# KiCad board APDS9960 Adapter board_panel.kicad_pcb (continued)
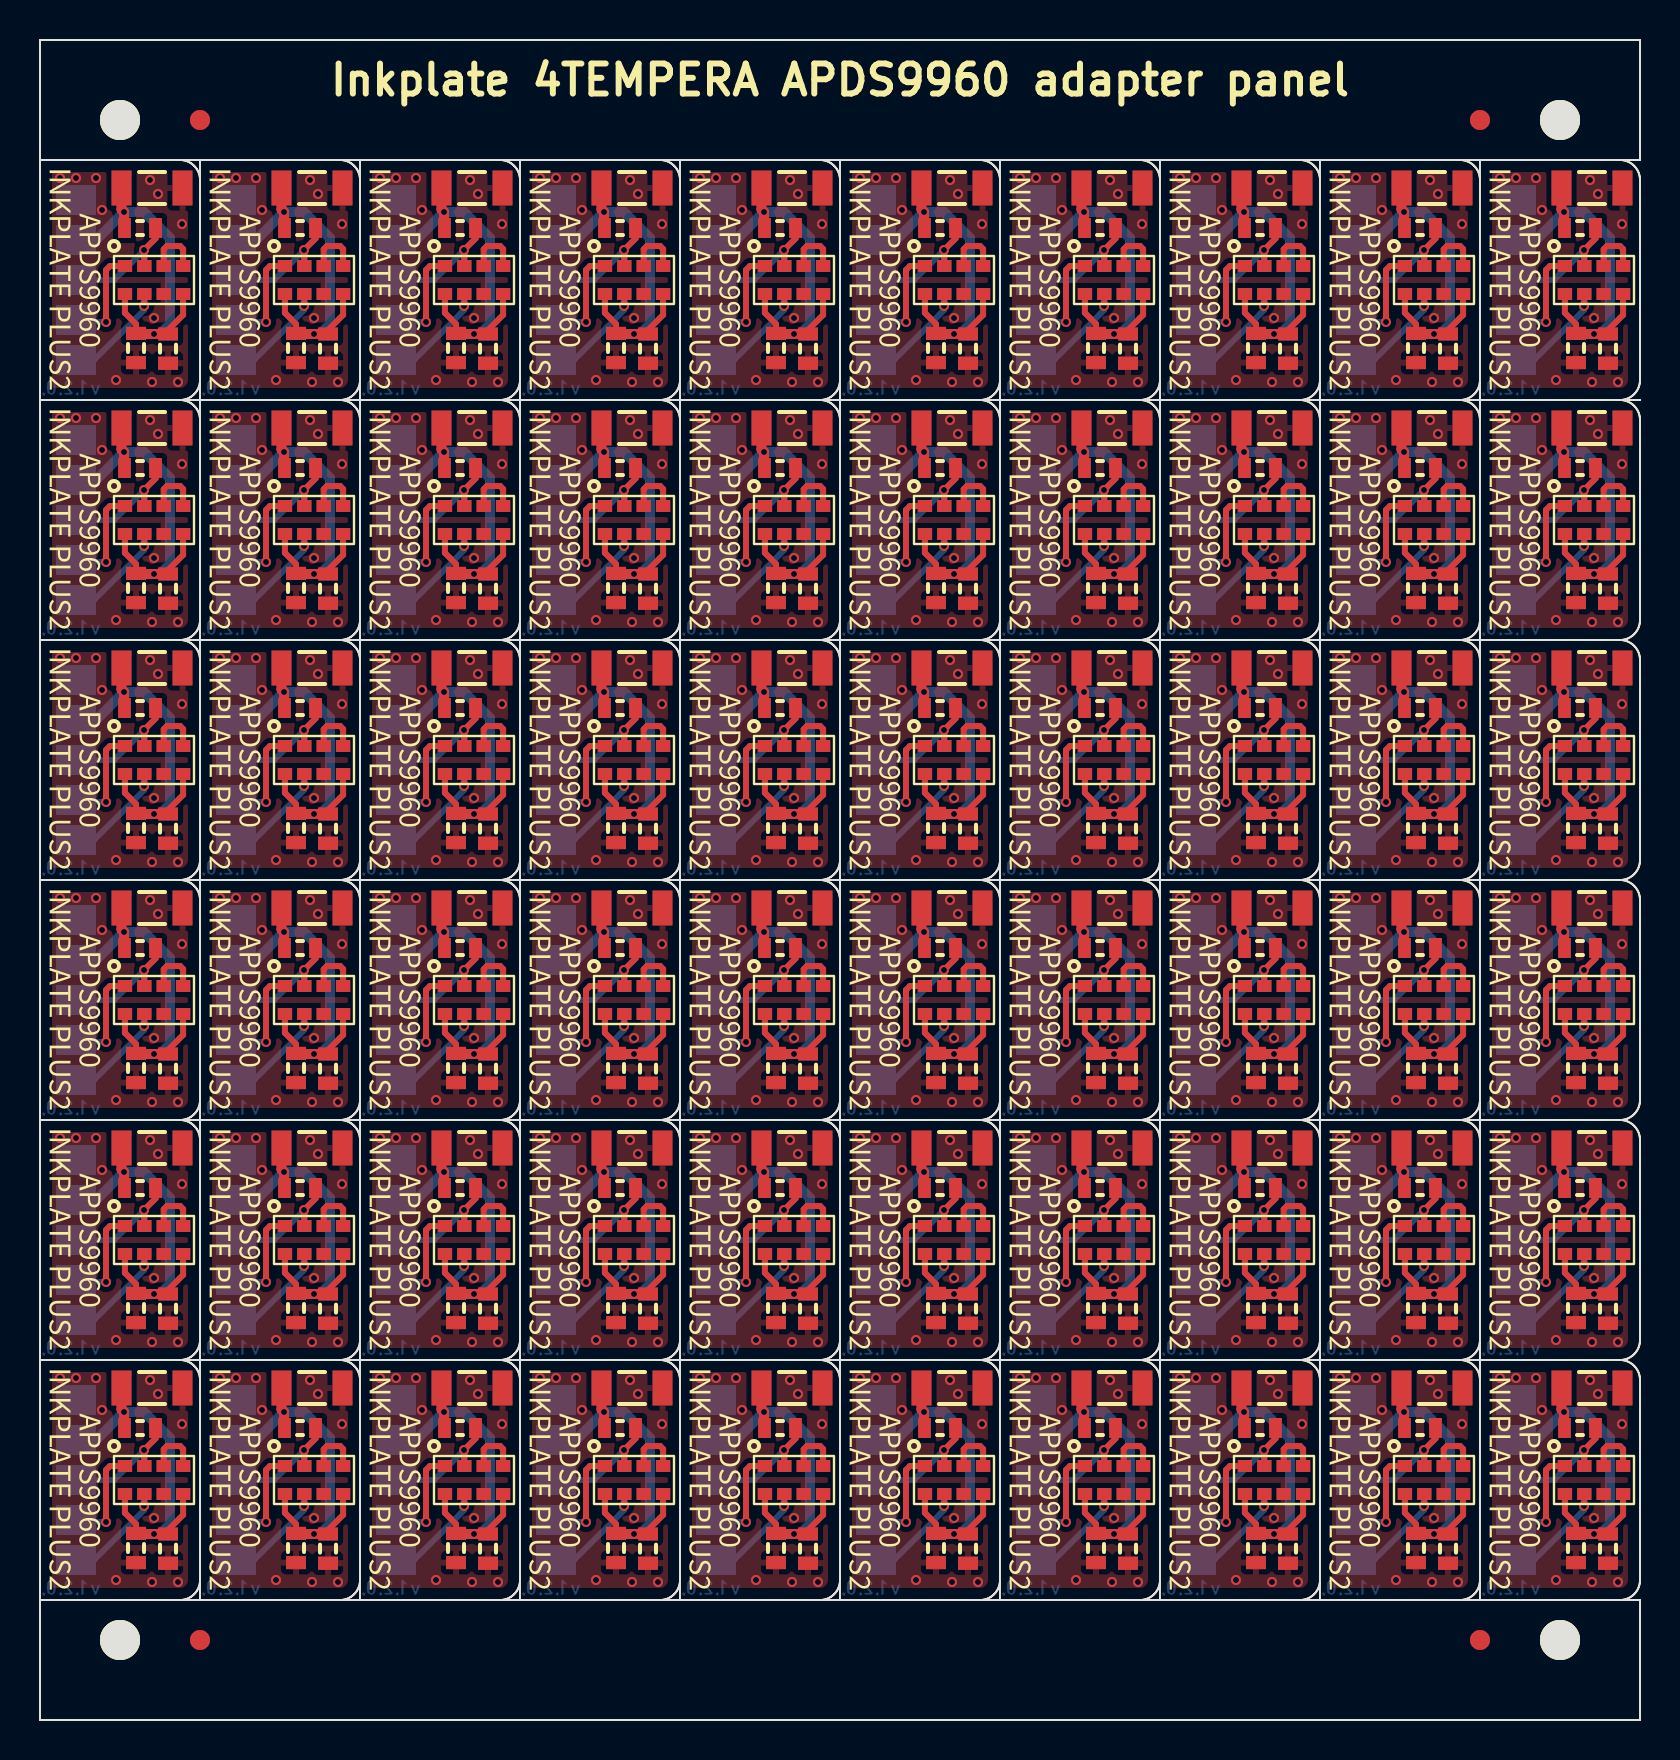
[diagram p0: board, top side]
## Placement (name value [footprint] x y rotation side) (continued)
PAD1#30  -  [PAD_2x1.5]  25.8 58 180 bottom
PAD1#31  -  [PAD_2x1.5]  17.8 10 180 bottom
PAD1#32  -  [PAD_2x1.5]  1.8 58 180 bottom
PAD1#33  -  [PAD_2x1.5]  17.8 34 180 bottom
PAD1#34  -  [PAD_2x1.5]  73.8 34 180 bottom
PAD1#35  -  [PAD_2x1.5]  1.8 10 180 bottom
PAD1#36  -  [PAD_2x1.5]  9.8 70 180 bottom
PAD1#37  -  [PAD_2x1.5]  41.8 22 180 bottom
PAD1#38  -  [PAD_2x1.5]  1.8 46 180 bottom
PAD1#39  -  [PAD_2x1.5]  57.8 70 180 bottom
PAD1#40  -  [PAD_2x1.5]  41.8 46 180 bottom
PAD1#41  -  [PAD_2x1.5]  41.8 34 180 bottom
PAD1#42  -  [PAD_2x1.5]  57.8 10 180 bottom
PAD1#43  -  [PAD_2x1.5]  73.8 58 180 bottom
PAD1#44  -  [PAD_2x1.5]  33.8 34 180 bottom
PAD1#45  -  [PAD_2x1.5]  65.8 10 180 bottom
PAD1#46  -  [PAD_2x1.5]  1.8 34 180 bottom
PAD1#47  -  [PAD_2x1.5]  73.8 22 180 bottom
PAD1#48  -  [PAD_2x1.5]  25.8 34 180 bottom
PAD1#49  -  [PAD_2x1.5]  9.8 58 180 bottom
PAD1#50  -  [PAD_2x1.5]  9.8 34 180 bottom
PAD1#51  -  [PAD_2x1.5]  9.8 10 180 bottom
PAD1#52  -  [PAD_2x1.5]  73.8 10 180 bottom
PAD1#53  -  [PAD_2x1.5]  25.8 22 180 bottom
PAD1#54  -  [PAD_2x1.5]  57.8 22 180 bottom
PAD1#55  -  [PAD_2x1.5]  1.8 22 180 bottom
PAD1#56  -  [PAD_2x1.5]  65.8 58 180 bottom
PAD1#57  -  [PAD_2x1.5]  65.8 22 180 bottom
PAD1#58  -  [PAD_2x1.5]  1.8 70 180 bottom
PAD1#59  -  [PAD_2x1.5]  33.8 46 180 bottom
PAD1#60  -  [PAD_2x1.5]  49.8 22 180 bottom
PAD2  -  [PAD_2x1.5]  65.8 20 180 bottom
PAD2#2  -  [PAD_2x1.5]  33.8 68 180 bottom
PAD2#3  -  [PAD_2x1.5]  49.8 20 180 bottom
PAD2#4  -  [PAD_2x1.5]  33.8 44 180 bottom
PAD2#5  -  [PAD_2x1.5]  41.8 56 180 bottom
PAD2#6  -  [PAD_2x1.5]  17.8 44 180 bottom
PAD2#7  -  [PAD_2x1.5]  65.8 8 180 bottom
PAD2#8  -  [PAD_2x1.5]  9.8 20 180 bottom
PAD2#9  -  [PAD_2x1.5]  49.8 8 180 bottom
PAD2#10  -  [PAD_2x1.5]  25.8 8 180 bottom
PAD2#11  -  [PAD_2x1.5]  1.8 68 180 bottom
PAD2#12  -  [PAD_2x1.5]  41.8 20 180 bottom
PAD2#13  -  [PAD_2x1.5]  1.8 56 180 bottom
PAD2#14  -  [PAD_2x1.5]  57.8 8 180 bottom
PAD2#15  -  [PAD_2x1.5]  65.8 56 180 bottom
PAD2#16  -  [PAD_2x1.5]  17.8 68 180 bottom
PAD2#17  -  [PAD_2x1.5]  25.8 44 180 bottom
PAD2#18  -  [PAD_2x1.5]  33.8 20 180 bottom
PAD2#19  -  [PAD_2x1.5]  57.8 68 180 bottom
PAD2#20  -  [PAD_2x1.5]  41.8 32 180 bottom
PAD2#21  -  [PAD_2x1.5]  25.8 68 180 bottom
PAD2#22  -  [PAD_2x1.5]  9.8 32 180 bottom
PAD2#23  -  [PAD_2x1.5]  9.8 68 180 bottom
PAD2#24  -  [PAD_2x1.5]  49.8 32 180 bottom
PAD2#25  -  [PAD_2x1.5]  17.8 8 180 bottom
PAD2#26  -  [PAD_2x1.5]  25.8 56 180 bottom
PAD2#27  -  [PAD_2x1.5]  17.8 56 180 bottom
PAD2#28  -  [PAD_2x1.5]  9.8 44 180 bottom
PAD2#29  -  [PAD_2x1.5]  73.8 32 180 bottom
PAD2#30  -  [PAD_2x1.5]  73.8 44 180 bottom
PAD2#31  -  [PAD_2x1.5]  33.8 32 180 bottom
PAD2#32  -  [PAD_2x1.5]  57.8 56 180 bottom
PAD2#33  -  [PAD_2x1.5]  25.8 20 180 bottom
PAD2#34  -  [PAD_2x1.5]  41.8 68 180 bottom
PAD2#35  -  [PAD_2x1.5]  17.8 20 180 bottom
PAD2#36  -  [PAD_2x1.5]  49.8 56 180 bottom
PAD2#37  -  [PAD_2x1.5]  33.8 56 180 bottom
PAD2#38  -  [PAD_2x1.5]  1.8 20 180 bottom
PAD2#39  -  [PAD_2x1.5]  49.8 68 180 bottom
PAD2#40  -  [PAD_2x1.5]  65.8 32 180 bottom
PAD2#41  -  [PAD_2x1.5]  57.8 44 180 bottom
PAD2#42  -  [PAD_2x1.5]  25.8 32 180 bottom
PAD2#43  -  [PAD_2x1.5]  65.8 44 180 bottom
PAD2#44  -  [PAD_2x1.5]  1.8 8 180 bottom
PAD2#45  -  [PAD_2x1.5]  17.8 32 180 bottom
PAD2#46  -  [PAD_2x1.5]  41.8 8 180 bottom
PAD2#47  -  [PAD_2x1.5]  73.8 20 180 bottom
PAD2#48  -  [PAD_2x1.5]  73.8 68 180 bottom
PAD2#49  -  [PAD_2x1.5]  33.8 8 180 bottom
PAD2#50  -  [PAD_2x1.5]  9.8 56 180 bottom
PAD2#51  -  [PAD_2x1.5]  57.8 32 180 bottom
PAD2#52  -  [PAD_2x1.5]  1.8 32 180 bottom
PAD2#53  -  [PAD_2x1.5]  49.8 44 180 bottom
PAD2#54  -  [PAD_2x1.5]  73.8 56 180 bottom
PAD2#55  -  [PAD_2x1.5]  41.8 44 180 bottom
PAD2#56  -  [PAD_2x1.5]  73.8 8 180 bottom
PAD2#57  -  [PAD_2x1.5]  57.8 20 180 bottom
PAD2#58  -  [PAD_2x1.5]  65.8 68 180 bottom
PAD2#59  -  [PAD_2x1.5]  9.8 8 180 bottom
PAD2#60  -  [PAD_2x1.5]  1.8 44 180 bottom
PAD3  -  [PAD_2x1.5]  25.8 12 180 bottom
PAD3#2  -  [PAD_2x1.5]  17.8 24 180 bottom
PAD3#3  -  [PAD_2x1.5]  41.8 12 180 bottom
PAD3#4  -  [PAD_2x1.5]  25.8 48 180 bottom
PAD3#5  -  [PAD_2x1.5]  1.8 36 180 bottom
PAD3#6  -  [PAD_2x1.5]  25.8 24 180 bottom
PAD3#7  -  [PAD_2x1.5]  41.8 72 180 bottom
PAD3#8  -  [PAD_2x1.5]  9.8 48 180 bottom
PAD3#9  -  [PAD_2x1.5]  1.8 72 180 bottom
PAD3#10  -  [PAD_2x1.5]  73.8 48 180 bottom
PAD3#11  -  [PAD_2x1.5]  41.8 36 180 bottom
PAD3#12  -  [PAD_2x1.5]  49.8 36 180 bottom
PAD3#13  -  [PAD_2x1.5]  65.8 24 180 bottom
PAD3#14  -  [PAD_2x1.5]  33.8 48 180 bottom
PAD3#15  -  [PAD_2x1.5]  65.8 48 180 bottom
PAD3#16  -  [PAD_2x1.5]  65.8 36 180 bottom
PAD3#17  -  [PAD_2x1.5]  41.8 24 180 bottom
PAD3#18  -  [PAD_2x1.5]  73.8 72 180 bottom
PAD3#19  -  [PAD_2x1.5]  33.8 24 180 bottom
PAD3#20  -  [PAD_2x1.5]  9.8 72 180 bottom
PAD3#21  -  [PAD_2x1.5]  25.8 36 180 bottom
PAD3#22  -  [PAD_2x1.5]  73.8 24 180 bottom
PAD3#23  -  [PAD_2x1.5]  9.8 12 180 bottom
PAD3#24  -  [PAD_2x1.5]  65.8 12 180 bottom
PAD3#25  -  [PAD_2x1.5]  57.8 48 180 bottom
PAD3#26  -  [PAD_2x1.5]  17.8 72 180 bottom
PAD3#27  -  [PAD_2x1.5]  65.8 60 180 bottom
PAD3#28  -  [PAD_2x1.5]  65.8 72 180 bottom
PAD3#29  -  [PAD_2x1.5]  17.8 36 180 bottom
PAD3#30  -  [PAD_2x1.5]  49.8 24 180 bottom
PAD3#31  -  [PAD_2x1.5]  25.8 72 180 bottom
PAD3#32  -  [PAD_2x1.5]  57.8 12 180 bottom
PAD3#33  -  [PAD_2x1.5]  33.8 12 180 bottom
PAD3#34  -  [PAD_2x1.5]  1.8 12 180 bottom
PAD3#35  -  [PAD_2x1.5]  49.8 72 180 bottom
PAD3#36  -  [PAD_2x1.5]  9.8 24 180 bottom
PAD3#37  -  [PAD_2x1.5]  9.8 36 180 bottom
PAD3#38  -  [PAD_2x1.5]  33.8 72 180 bottom
PAD3#39  -  [PAD_2x1.5]  9.8 60 180 bottom
PAD3#40  -  [PAD_2x1.5]  73.8 36 180 bottom
PAD3#41  -  [PAD_2x1.5]  49.8 60 180 bottom
PAD3#42  -  [PAD_2x1.5]  41.8 60 180 bottom
PAD3#43  -  [PAD_2x1.5]  49.8 12 180 bottom
PAD3#44  -  [PAD_2x1.5]  1.8 48 180 bottom
PAD3#45  -  [PAD_2x1.5]  33.8 60 180 bottom
PAD3#46  -  [PAD_2x1.5]  17.8 48 180 bottom
PAD3#47  -  [PAD_2x1.5]  33.8 36 180 bottom
PAD3#48  -  [PAD_2x1.5]  17.8 60 180 bottom
PAD3#49  -  [PAD_2x1.5]  73.8 60 180 bottom
PAD3#50  -  [PAD_2x1.5]  73.8 12 180 bottom
PAD3#51  -  [PAD_2x1.5]  41.8 48 180 bottom
PAD3#52  -  [PAD_2x1.5]  57.8 24 180 bottom
PAD3#53  -  [PAD_2x1.5]  57.8 60 180 bottom
PAD3#54  -  [PAD_2x1.5]  57.8 36 180 bottom
PAD3#55  -  [PAD_2x1.5]  49.8 48 180 bottom
PAD3#56  -  [PAD_2x1.5]  1.8 24 180 bottom
PAD3#57  -  [PAD_2x1.5]  57.8 72 180 bottom
PAD3#58  -  [PAD_2x1.5]  1.8 60 180 bottom
PAD3#59  -  [PAD_2x1.5]  25.8 60 180 bottom
PAD3#60  -  [PAD_2x1.5]  17.8 12 180 bottom
PAD4  -  [PAD_2x1.5]  57.8 62 180 bottom
PAD4#2  -  [PAD_2x1.5]  57.8 14 180 bottom
PAD4#3  -  [PAD_2x1.5]  1.8 50 180 bottom
PAD4#4  -  [PAD_2x1.5]  65.8 26 180 bottom
PAD4#5  -  [PAD_2x1.5]  33.8 26 180 bottom
PAD4#6  -  [PAD_2x1.5]  1.8 74 180 bottom
PAD4#7  -  [PAD_2x1.5]  49.8 26 180 bottom
PAD4#8  -  [PAD_2x1.5]  65.8 14 180 bottom
PAD4#9  -  [PAD_2x1.5]  41.8 14 180 bottom
PAD4#10  -  [PAD_2x1.5]  25.8 50 180 bottom
PAD4#11  -  [PAD_2x1.5]  73.8 38 180 bottom
PAD4#12  -  [PAD_2x1.5]  49.8 38 180 bottom
PAD4#13  -  [PAD_2x1.5]  57.8 50 180 bottom
PAD4#14  -  [PAD_2x1.5]  65.8 50 180 bottom
PAD4#15  -  [PAD_2x1.5]  65.8 38 180 bottom
PAD4#16  -  [PAD_2x1.5]  41.8 62 180 bottom
PAD4#17  -  [PAD_2x1.5]  1.8 62 180 bottom
PAD4#18  -  [PAD_2x1.5]  1.8 26 180 bottom
PAD4#19  -  [PAD_2x1.5]  49.8 74 180 bottom
PAD4#20  -  [PAD_2x1.5]  25.8 38 180 bottom
PAD4#21  -  [PAD_2x1.5]  25.8 26 180 bottom
PAD4#22  -  [PAD_2x1.5]  25.8 62 180 bottom
PAD4#23  -  [PAD_2x1.5]  1.8 38 180 bottom
PAD4#24  -  [PAD_2x1.5]  57.8 26 180 bottom
PAD4#25  -  [PAD_2x1.5]  73.8 14 180 bottom
PAD4#26  -  [PAD_2x1.5]  17.8 26 180 bottom
PAD4#27  -  [PAD_2x1.5]  41.8 50 180 bottom
PAD4#28  -  [PAD_2x1.5]  49.8 14 180 bottom
PAD4#29  -  [PAD_2x1.5]  9.8 74 180 bottom
PAD4#30  -  [PAD_2x1.5]  9.8 14 180 bottom
PAD4#31  -  [PAD_2x1.5]  17.8 38 180 bottom
PAD4#32  -  [PAD_2x1.5]  17.8 62 180 bottom
PAD4#33  -  [PAD_2x1.5]  49.8 50 180 bottom
PAD4#34  -  [PAD_2x1.5]  57.8 74 180 bottom
PAD4#35  -  [PAD_2x1.5]  33.8 38 180 bottom
PAD4#36  -  [PAD_2x1.5]  73.8 26 180 bottom
PAD4#37  -  [PAD_2x1.5]  9.8 62 180 bottom
PAD4#38  -  [PAD_2x1.5]  73.8 62 180 bottom
PAD4#39  -  [PAD_2x1.5]  65.8 62 180 bottom
PAD4#40  -  [PAD_2x1.5]  41.8 74 180 bottom
PAD4#41  -  [PAD_2x1.5]  25.8 74 180 bottom
PAD4#42  -  [PAD_2x1.5]  33.8 74 180 bottom
PAD4#43  -  [PAD_2x1.5]  41.8 26 180 bottom
PAD4#44  -  [PAD_2x1.5]  9.8 26 180 bottom
PAD4#45  -  [PAD_2x1.5]  57.8 38 180 bottom
PAD4#46  -  [PAD_2x1.5]  41.8 38 180 bottom
PAD4#47  -  [PAD_2x1.5]  73.8 50 180 bottom
PAD4#48  -  [PAD_2x1.5]  25.8 14 180 bottom
PAD4#49  -  [PAD_2x1.5]  17.8 74 180 bottom
PAD4#50  -  [PAD_2x1.5]  65.8 74 180 bottom
PAD4#51  -  [PAD_2x1.5]  33.8 50 180 bottom
PAD4#52  -  [PAD_2x1.5]  33.8 62 180 bottom
PAD4#53  -  [PAD_2x1.5]  1.8 14 180 bottom
PAD4#54  -  [PAD_2x1.5]  9.8 38 180 bottom
PAD4#55  -  [PAD_2x1.5]  17.8 14 180 bottom
PAD4#56  -  [PAD_2x1.5]  73.8 74 180 bottom
PAD4#57  -  [PAD_2x1.5]  33.8 14 180 bottom
PAD4#58  -  [PAD_2x1.5]  49.8 62 180 bottom
PAD4#59  -  [PAD_2x1.5]  17.8 50 180 bottom
PAD4#60  -  [PAD_2x1.5]  9.8 50 180 bottom
PAD5  -  [PAD_2x1.5]  57.8 52 180 bottom
PAD5#2  -  [PAD_2x1.5]  49.8 52 180 bottom
PAD5#3  -  [PAD_2x1.5]  25.8 16 180 bottom
PAD5#4  -  [PAD_2x1.5]  73.8 16 180 bottom
PAD5#5  -  [PAD_2x1.5]  65.8 76 180 bottom
PAD5#6  -  [PAD_2x1.5]  41.8 76 180 bottom
PAD5#7  -  [PAD_2x1.5]  65.8 52 180 bottom
PAD5#8  -  [PAD_2x1.5]  17.8 64 180 bottom
PAD5#9  -  [PAD_2x1.5]  17.8 76 180 bottom
PAD5#10  -  [PAD_2x1.5]  9.8 76 180 bottom
PAD5#11  -  [PAD_2x1.5]  33.8 76 180 bottom
PAD5#12  -  [PAD_2x1.5]  17.8 40 180 bottom
PAD5#13  -  [PAD_2x1.5]  25.8 40 180 bottom
PAD5#14  -  [PAD_2x1.5]  1.8 52 180 bottom
PAD5#15  -  [PAD_2x1.5]  17.8 52 180 bottom
PAD5#16  -  [PAD_2x1.5]  57.8 64 180 bottom
PAD5#17  -  [PAD_2x1.5]  49.8 16 180 bottom
PAD5#18  -  [PAD_2x1.5]  1.8 28 180 bottom
PAD5#19  -  [PAD_2x1.5]  57.8 40 180 bottom
PAD5#20  -  [PAD_2x1.5]  33.8 52 180 bottom
PAD5#21  -  [PAD_2x1.5]  33.8 40 180 bottom
PAD5#22  -  [PAD_2x1.5]  49.8 76 180 bottom
PAD5#23  -  [PAD_2x1.5]  1.8 16 180 bottom
PAD5#24  -  [PAD_2x1.5]  65.8 28 180 bottom
PAD5#25  -  [PAD_2x1.5]  9.8 40 180 bottom
PAD5#26  -  [PAD_2x1.5]  73.8 28 180 bottom
PAD5#27  -  [PAD_2x1.5]  73.8 76 180 bottom
PAD5#28  -  [PAD_2x1.5]  1.8 64 180 bottom
PAD5#29  -  [PAD_2x1.5]  33.8 28 180 bottom
PAD5#30  -  [PAD_2x1.5]  65.8 40 180 bottom
PAD5#31  -  [PAD_2x1.5]  25.8 52 180 bottom
PAD5#32  -  [PAD_2x1.5]  17.8 16 180 bottom
PAD5#33  -  [PAD_2x1.5]  65.8 16 180 bottom
PAD5#34  -  [PAD_2x1.5]  49.8 28 180 bottom
PAD5#35  -  [PAD_2x1.5]  33.8 16 180 bottom
PAD5#36  -  [PAD_2x1.5]  57.8 16 180 bottom
PAD5#37  -  [PAD_2x1.5]  73.8 52 180 bottom
PAD5#38  -  [PAD_2x1.5]  57.8 28 180 bottom
PAD5#39  -  [PAD_2x1.5]  9.8 52 180 bottom
PAD5#40  -  [PAD_2x1.5]  9.8 16 180 bottom
PAD5#41  -  [PAD_2x1.5]  25.8 64 180 bottom
PAD5#42  -  [PAD_2x1.5]  41.8 64 180 bottom
PAD5#43  -  [PAD_2x1.5]  1.8 76 180 bottom
PAD5#44  -  [PAD_2x1.5]  9.8 64 180 bottom
PAD5#45  -  [PAD_2x1.5]  25.8 76 180 bottom
PAD5#46  -  [PAD_2x1.5]  17.8 28 180 bottom
PAD5#47  -  [PAD_2x1.5]  9.8 28 180 bottom
PAD5#48  -  [PAD_2x1.5]  41.8 28 180 bottom
PAD5#49  -  [PAD_2x1.5]  65.8 64 180 bottom
PAD5#50  -  [PAD_2x1.5]  49.8 64 180 bottom
PAD5#51  -  [PAD_2x1.5]  41.8 52 180 bottom
PAD5#52  -  [PAD_2x1.5]  1.8 40 180 bottom
PAD5#53  -  [PAD_2x1.5]  49.8 40 180 bottom
PAD5#54  -  [PAD_2x1.5]  41.8 16 180 bottom
PAD5#55  -  [PAD_2x1.5]  25.8 28 180 bottom
PAD5#56  -  [PAD_2x1.5]  73.8 64 180 bottom
PAD5#57  -  [PAD_2x1.5]  73.8 40 180 bottom
PAD5#58  -  [PAD_2x1.5]  33.8 64 180 bottom
PAD5#59  -  [PAD_2x1.5]  57.8 76 180 bottom
PAD5#60  -  [PAD_2x1.5]  41.8 40 180 bottom
R1  10k  [0603R]  29 38.6 180 top
R1#2  10k  [0603R]  69 50.6 180 top
R1#3  10k  [0603R]  21 74.6 180 top
R1#4  10k  [0603R]  53 62.6 180 top
R1#5  10k  [0603R]  69 14.6 180 top
R1#6  10k  [0603R]  21 14.6 180 top
R1#7  10k  [0603R]  69 62.6 180 top
R1#8  10k  [0603R]  37 14.6 180 top
R1#9  10k  [0603R]  61 38.6 180 top
R1#10  10k  [0603R]  37 62.6 180 top
R1#11  10k  [0603R]  61 50.6 180 top
R1#12  10k  [0603R]  29 74.6 180 top
R1#13  10k  [0603R]  29 14.6 180 top
R1#14  10k  [0603R]  13 26.6 180 top
R1#15  10k  [0603R]  13 62.6 180 top
R1#16  10k  [0603R]  21 50.6 180 top
R1#17  10k  [0603R]  13 14.6 180 top
R1#18  10k  [0603R]  45 26.6 180 top
R1#19  10k  [0603R]  37 38.6 180 top
R1#20  10k  [0603R]  5 14.6 180 top
R1#21  10k  [0603R]  29 26.6 180 top
R1#22  10k  [0603R]  77 50.6 180 top
R1#23  10k  [0603R]  21 38.6 180 top
R1#24  10k  [0603R]  37 26.6 180 top
R1#25  10k  [0603R]  45 38.6 180 top
R1#26  10k  [0603R]  61 74.6 180 top
R1#27  10k  [0603R]  61 14.6 180 top
R1#28  10k  [0603R]  77 74.6 180 top
R1#29  10k  [0603R]  77 38.6 180 top
R1#30  10k  [0603R]  13 74.6 180 top
R1#31  10k  [0603R]  53 26.6 180 top
R1#32  10k  [0603R]  69 38.6 180 top
R1#33  10k  [0603R]  21 62.6 180 top
R1#34  10k  [0603R]  5 74.6 180 top
R1#35  10k  [0603R]  45 50.6 180 top
R1#36  10k  [0603R]  29 62.6 180 top
R1#37  10k  [0603R]  53 50.6 180 top
R1#38  10k  [0603R]  77 26.6 180 top
R1#39  10k  [0603R]  13 50.6 180 top
R1#40  10k  [0603R]  5 50.6 180 top
R1#41  10k  [0603R]  37 50.6 180 top
R1#42  10k  [0603R]  53 38.6 180 top
R1#43  10k  [0603R]  77 14.6 180 top
R1#44  10k  [0603R]  37 74.6 180 top
R1#45  10k  [0603R]  45 14.6 180 top
R1#46  10k  [0603R]  21 26.6 180 top
R1#47  10k  [0603R]  13 38.6 180 top
R1#48  10k  [0603R]  45 74.6 180 top
R1#49  10k  [0603R]  5 62.6 180 top
R1#50  10k  [0603R]  77 62.6 180 top
R1#51  10k  [0603R]  29 50.6 180 top
R1#52  10k  [0603R]  69 74.6 180 top
R1#53  10k  [0603R]  45 62.6 180 top
R1#54  10k  [0603R]  53 74.6 180 top
R1#55  10k  [0603R]  61 26.6 180 top
R1#56  10k  [0603R]  5 26.6 180 top
R1#57  10k  [0603R]  69 26.6 180 top
R1#58  10k  [0603R]  61 62.6 180 top
R1#59  10k  [0603R]  5 38.6 180 top
R1#60  10k  [0603R]  53 14.6 180 top
REF**  -  [Fiducial]  8 4 0 top
REF**#2  -  [NPTH]  4 80 0 top
REF**#3  -  [NPTH]  4 4 0 top
REF**#4  -  [Fiducial]  72 80 0 top
REF**#5  -  [NPTH]  76 80 0 top
REF**#6  -  [Fiducial]  8 80 0 top
REF**#7  -  [Fiducial]  72 4 0 top
REF**#8  -  [NPTH]  76 4 0 top
REF**#9  -  [Version1.2.0]  33.5 6.6 180 bottom
REF**#10  -  [Version1.2.0]  49.5 18.6 180 bottom
REF**#11  -  [Version1.2.0]  17.5 54.6 180 bottom
REF**#12  -  [Version1.2.0]  9.5 6.6 180 bottom
REF**#13  -  [Version1.2.0]  57.5 6.6 180 bottom
REF**#14  -  [Version1.2.0]  25.5 30.6 180 bottom
REF**#15  -  [Version1.2.0]  73.5 66.6 180 bottom
REF**#16  -  [Version1.2.0]  73.5 54.6 180 bottom
REF**#17  -  [Version1.2.0]  41.5 42.6 180 bottom
REF**#18  -  [Version1.2.0]  17.5 6.6 180 bottom
REF**#19  -  [Version1.2.0]  73.5 18.6 180 bottom
REF**#20  -  [Version1.2.0]  73.5 30.6 180 bottom
REF**#21  -  [Version1.2.0]  25.5 42.6 180 bottom
REF**#22  -  [Version1.2.0]  17.5 30.6 180 bottom
REF**#23  -  [Version1.2.0]  9.5 42.6 180 bottom
REF**#24  -  [Version1.2.0]  9.5 66.6 180 bottom
REF**#25  -  [Version1.2.0]  25.5 54.6 180 bottom
REF**#26  -  [Version1.2.0]  25.5 66.6 180 bottom
REF**#27  -  [Version1.2.0]  73.5 6.6 180 bottom
REF**#28  -  [Fiducial]  8 4 0 bottom
REF**#29  -  [Version1.2.0]  73.5 42.6 180 bottom
REF**#30  -  [Version1.2.0]  33.5 54.6 180 bottom
REF**#31  -  [Version1.2.0]  1.5 6.6 180 bottom
REF**#32  -  [Version1.2.0]  1.5 42.6 180 bottom
REF**#33  -  [Version1.2.0]  17.5 18.6 180 bottom
REF**#34  -  [Version1.2.0]  33.5 66.6 180 bottom
REF**#35  -  [Version1.2.0]  1.5 18.6 180 bottom
REF**#36  -  [Version1.2.0]  65.5 6.6 180 bottom
REF**#37  -  [Version1.2.0]  49.5 6.6 180 bottom
REF**#38  -  [Version1.2.0]  65.5 42.6 180 bottom
REF**#39  -  [Version1.2.0]  25.5 6.6 180 bottom
REF**#40  -  [Version1.2.0]  65.5 18.6 180 bottom
REF**#41  -  [Fiducial]  72 4 0 bottom
REF**#42  -  [Version1.2.0]  49.5 54.6 180 bottom
REF**#43  -  [Version1.2.0]  33.5 30.6 180 bottom
REF**#44  -  [Version1.2.0]  25.5 18.6 180 bottom
REF**#45  -  [Version1.2.0]  65.5 66.6 180 bottom
REF**#46  -  [Version1.2.0]  1.5 66.6 180 bottom
REF**#47  -  [Version1.2.0]  33.5 18.6 180 bottom
REF**#48  -  [Version1.2.0]  65.5 30.6 180 bottom
REF**#49  -  [Version1.2.0]  57.5 66.6 180 bottom
REF**#50  -  [Version1.2.0]  9.5 18.6 180 bottom
REF**#51  -  [Version1.2.0]  57.5 54.6 180 bottom
REF**#52  -  [Version1.2.0]  65.5 54.6 180 bottom
REF**#53  -  [Version1.2.0]  41.5 18.6 180 bottom
REF**#54  -  [Version1.2.0]  49.5 66.6 180 bottom
REF**#55  -  [Version1.2.0]  57.5 42.6 180 bottom
REF**#56  -  [Version1.2.0]  17.5 66.6 180 bottom
REF**#57  -  [Version1.2.0]  41.5 66.6 180 bottom
REF**#58  -  [Fiducial]  8 80 0 bottom
REF**#59  -  [Version1.2.0]  9.5 30.6 180 bottom
REF**#60  -  [Version1.2.0]  17.5 42.6 180 bottom
REF**#61  -  [Version1.2.0]  49.5 30.6 180 bottom
REF**#62  -  [Fiducial]  72 80 0 bottom
REF**#63  -  [Version1.2.0]  33.5 42.6 180 bottom
REF**#64  -  [Version1.2.0]  49.5 42.6 180 bottom
REF**#65  -  [Version1.2.0]  1.5 30.6 180 bottom
REF**#66  -  [Version1.2.0]  1.5 54.6 180 bottom
REF**#67  -  [Version1.2.0]  41.5 6.6 180 bottom
REF**#68  -  [Version1.2.0]  41.5 54.6 180 bottom
REF**#69  -  [Version1.2.0]  9.5 54.6 180 bottom
REF**#70  -  [Version1.2.0]  41.5 30.6 180 bottom
REF**#71  -  [Version1.2.0]  57.5 18.6 180 bottom
REF**#72  -  [Version1.2.0]  57.5 30.6 180 bottom
U1  -  [APDS-9960]  61.7 36 90 top
U1#2  -  [APDS-9960]  5.7 60 90 top
U1#3  -  [APDS-9960]  45.7 36 90 top
U1#4  -  [APDS-9960]  53.7 48 90 top
U1#5  -  [APDS-9960]  21.7 12 90 top
U1#6  -  [APDS-9960]  29.7 24 90 top
U1#7  -  [APDS-9960]  61.7 48 90 top
U1#8  -  [APDS-9960]  69.7 24 90 top
U1#9  -  [APDS-9960]  69.7 72 90 top
U1#10  -  [APDS-9960]  77.7 72 90 top
U1#11  -  [APDS-9960]  77.7 48 90 top
U1#12  -  [APDS-9960]  29.7 48 90 top
U1#13  -  [APDS-9960]  61.7 12 90 top
U1#14  -  [APDS-9960]  53.7 60 90 top
U1#15  -  [APDS-9960]  69.7 48 90 top
U1#16  -  [APDS-9960]  13.7 12 90 top
U1#17  -  [APDS-9960]  29.7 72 90 top
U1#18  -  [APDS-9960]  45.7 24 90 top
U1#19  -  [APDS-9960]  61.7 24 90 top
U1#20  -  [APDS-9960]  21.7 24 90 top
U1#21  -  [APDS-9960]  37.7 72 90 top
U1#22  -  [APDS-9960]  45.7 72 90 top
U1#23  -  [APDS-9960]  37.7 24 90 top
U1#24  -  [APDS-9960]  53.7 36 90 top
U1#25  -  [APDS-9960]  13.7 48 90 top
U1#26  -  [APDS-9960]  45.7 12 90 top
U1#27  -  [APDS-9960]  61.7 72 90 top
U1#28  -  [APDS-9960]  45.7 48 90 top
U1#29  -  [APDS-9960]  69.7 12 90 top
U1#30  -  [APDS-9960]  21.7 60 90 top
U1#31  -  [APDS-9960]  29.7 36 90 top
U1#32  -  [APDS-9960]  69.7 60 90 top
U1#33  -  [APDS-9960]  37.7 36 90 top
U1#34  -  [APDS-9960]  21.7 72 90 top
U1#35  -  [APDS-9960]  13.7 24 90 top
U1#36  -  [APDS-9960]  29.7 60 90 top
U1#37  -  [APDS-9960]  13.7 60 90 top
U1#38  -  [APDS-9960]  13.7 72 90 top
U1#39  -  [APDS-9960]  37.7 48 90 top
U1#40  -  [APDS-9960]  5.7 48 90 top
U1#41  -  [APDS-9960]  21.7 36 90 top
U1#42  -  [APDS-9960]  5.7 24 90 top
U1#43  -  [APDS-9960]  5.7 36 90 top
U1#44  -  [APDS-9960]  77.7 24 90 top
U1#45  -  [APDS-9960]  5.7 12 90 top
U1#46  -  [APDS-9960]  77.7 36 90 top
U1#47  -  [APDS-9960]  29.7 12 90 top
U1#48  -  [APDS-9960]  53.7 12 90 top
U1#49  -  [APDS-9960]  37.7 60 90 top
U1#50  -  [APDS-9960]  45.7 60 90 top
U1#51  -  [APDS-9960]  77.7 12 90 top
U1#52  -  [APDS-9960]  5.7 72 90 top
U1#53  -  [APDS-9960]  77.7 60 90 top
U1#54  -  [APDS-9960]  53.7 24 90 top
U1#55  -  [APDS-9960]  69.7 36 90 top
U1#56  -  [APDS-9960]  37.7 12 90 top
U1#57  -  [APDS-9960]  13.7 36 90 top
U1#58  -  [APDS-9960]  21.7 48 90 top
U1#59  -  [APDS-9960]  61.7 60 90 top
U1#60  -  [APDS-9960]  53.7 72 90 top

## Footprints (pads in the part's own frame, mm; a bottom-side part is the same pattern mirrored in y, then rotated)
0603C
  rect 0.66x1 smd: 1(-0.73,0) 2(0.73,0)
0603R
  rect 0.64x1 smd: 1(-0.775,0) 2(0.775,0)
1206C
  rect 1x1.75 smd: 1(-1.525,0) 2(1.525,0)
APDS-9960
  rect 0.6x0.72 smd: 1(0.7,1.455) 2(0.7,0.485) 3(0.7,-0.485) 4(0.7,-1.455) 5(-0.7,-1.455) 6(-0.7,-0.485) 7(-0.7,0.485) 8(-0.7,1.455)
Fiducial
  round 1 smd: (0,0)
NPTH
  round 2 hole 2 unplated: (0,0)
PAD_2x1.5
  rect 2x1.5 smd: 1(0,0)

## Nets
Board_0-3V3: C1#44.2 C2#34.2 C3#24.2 PAD4#6.1 R1#34.2 U1#52.5 U1#52.8
Board_0-GND: C1#44.1 C2#34.1 C3#24.1 PAD5#43.1 U1#52.6
Board_0-I2C_SCL: PAD2#11.1 U1#52.7
Board_0-I2C_SDA: PAD1#58.1 U1#52.1
Board_0-INT_APDS: PAD3#9.1 R1#34.1 U1#52.2
Board_0-Net-(U1-Pad3): U1#52.3 U1#52.4
Board_1-3V3: C1#48.2 C2#53.2 C3#28.2 PAD4#29.1 R1#30.2 U1#38.5 U1#38.8
Board_1-GND: C1#48.1 C2#53.1 C3#28.1 PAD5#10.1 U1#38.6
Board_1-I2C_SCL: PAD2#23.1 U1#38.7
Board_1-I2C_SDA: PAD1#36.1 U1#38.1
Board_1-INT_APDS: PAD3#20.1 R1#30.1 U1#38.2
Board_1-Net-(U1-Pad3): U1#38.3 U1#38.4
Board_2-3V3: C1#58.2 C2#44.2 C3#5.2 PAD4#49.1 R1#3.2 U1#34.5 U1#34.8
Board_2-GND: C1#58.1 C2#44.1 C3#5.1 PAD5#9.1 U1#34.6
Board_2-I2C_SCL: PAD2#16.1 U1#34.7
Board_2-I2C_SDA: PAD1#25.1 U1#34.1
Board_2-INT_APDS: PAD3#26.1 R1#3.1 U1#34.2
Board_2-Net-(U1-Pad3): U1#34.3 U1#34.4
Board_3-3V3: C1#10.2 C2#49.2 C3#10.2 PAD4#41.1 R1#12.2 U1#17.5 U1#17.8
Board_3-GND: C1#10.1 C2#49.1 C3#10.1 PAD5#45.1 U1#17.6
Board_3-I2C_SCL: PAD2#21.1 U1#17.7
Board_3-I2C_SDA: PAD1#19.1 U1#17.1
Board_3-INT_APDS: PAD3#31.1 R1#12.1 U1#17.2
Board_3-Net-(U1-Pad3): U1#17.3 U1#17.4
Board_4-3V3: C1#38.2 C2#7.2 C3#59.2 PAD4#42.1 R1#44.2 U1#21.5 U1#21.8
Board_4-GND: C1#38.1 C2#7.1 C3#59.1 PAD5#11.1 U1#21.6
Board_4-I2C_SCL: PAD2#2.1 U1#21.7
Board_4-I2C_SDA: PAD1#11.1 U1#21.1
Board_4-INT_APDS: PAD3#38.1 R1#44.1 U1#21.2
Board_4-Net-(U1-Pad3): U1#21.3 U1#21.4
Board_5-3V3: C1#57.2 C2#50.2 C3#50.2 PAD4#40.1 R1#48.2 U1#22.5 U1#22.8
Board_5-GND: C1#57.1 C2#50.1 C3#50.1 PAD5#6.1 U1#22.6
Board_5-I2C_SCL: PAD2#34.1 U1#22.7
Board_5-I2C_SDA: PAD1#14.1 U1#22.1
Board_5-INT_APDS: PAD3#7.1 R1#48.1 U1#22.2
Board_5-Net-(U1-Pad3): U1#22.3 U1#22.4
Board_6-3V3: C1#31.2 C2#28.2 C3#46.2 PAD4#19.1 R1#54.2 U1#60.5 U1#60.8
Board_6-GND: C1#31.1 C2#28.1 C3#46.1 PAD5#22.1 U1#60.6
Board_6-I2C_SCL: PAD2#39.1 U1#60.7
Board_6-I2C_SDA: PAD1#28.1 U1#60.1
Board_6-INT_APDS: PAD3#35.1 R1#54.1 U1#60.2
Board_6-Net-(U1-Pad3): U1#60.3 U1#60.4
Board_7-3V3: C1#30.2 C2#22.2 C3#21.2 PAD4#34.1 R1#26.2 U1#27.5 U1#27.8
Board_7-GND: C1#30.1 C2#22.1 C3#21.1 PAD5#59.1 U1#27.6
Board_7-I2C_SCL: PAD2#19.1 U1#27.7
Board_7-I2C_SDA: PAD1#39.1 U1#27.1
Board_7-INT_APDS: PAD3#57.1 R1#26.1 U1#27.2
Board_7-Net-(U1-Pad3): U1#27.3 U1#27.4
Board_8-3V3: C1#33.2 C2.2 C3#14.2 PAD4#50.1 R1#52.2 U1#9.5 U1#9.8
Board_8-GND: C1#33.1 C2.1 C3#14.1 PAD5#5.1 U1#9.6
Board_8-I2C_SCL: PAD2#58.1 U1#9.7
Board_8-I2C_SDA: PAD1#13.1 U1#9.1
Board_8-INT_APDS: PAD3#28.1 R1#52.1 U1#9.2
Board_8-Net-(U1-Pad3): U1#9.3 U1#9.4
Board_9-3V3: C1#18.2 C2#15.2 C3#12.2 PAD4#56.1 R1#28.2 U1#10.5 U1#10.8
Board_9-GND: C1#18.1 C2#15.1 C3#12.1 PAD5#27.1 U1#10.6
Board_9-I2C_SCL: PAD2#48.1 U1#10.7
Board_9-I2C_SDA: PAD1#23.1 U1#10.1
Board_9-INT_APDS: PAD3#18.1 R1#28.1 U1#10.2
Board_9-Net-(U1-Pad3): U1#10.3 U1#10.4
Board_10-3V3: C1#52.2 C2#59.2 C3#43.2 PAD4#17.1 R1#49.2 U1#2.5 U1#2.8
Board_10-GND: C1#52.1 C2#59.1 C3#43.1 PAD5#28.1 U1#2.6
Board_10-I2C_SCL: PAD2#13.1 U1#2.7
Board_10-I2C_SDA: PAD1#32.1 U1#2.1
Board_10-INT_APDS: PAD3#58.1 R1#49.1 U1#2.2
Board_10-Net-(U1-Pad3): U1#2.3 U1#2.4
Board_11-3V3: C1#55.2 C2#26.2 C3#20.2 PAD4#37.1 R1#15.2 U1#37.5 U1#37.8
Board_11-GND: C1#55.1 C2#26.1 C3#20.1 PAD5#44.1 U1#37.6
Board_11-I2C_SCL: PAD2#50.1 U1#37.7
Board_11-I2C_SDA: PAD1#49.1 U1#37.1
Board_11-INT_APDS: PAD3#39.1 R1#15.1 U1#37.2
Board_11-Net-(U1-Pad3): U1#37.3 U1#37.4
Board_12-3V3: C1#17.2 C2#31.2 C3#44.2 PAD4#32.1 R1#33.2 U1#30.5 U1#30.8
Board_12-GND: C1#17.1 C2#31.1 C3#44.1 PAD5#8.1 U1#30.6
Board_12-I2C_SCL: PAD2#27.1 U1#30.7
Board_12-I2C_SDA: PAD1#24.1 U1#30.1
Board_12-INT_APDS: PAD3#48.1 R1#33.1 U1#30.2
Board_12-Net-(U1-Pad3): U1#30.3 U1#30.4
Board_13-3V3: C1#39.2 C2#16.2 C3#58.2 PAD4#22.1 R1#36.2 U1#36.5 U1#36.8
Board_13-GND: C1#39.1 C2#16.1 C3#58.1 PAD5#41.1 U1#36.6
Board_13-I2C_SCL: PAD2#26.1 U1#36.7
Board_13-I2C_SDA: PAD1#30.1 U1#36.1
Board_13-INT_APDS: PAD3#59.1 R1#36.1 U1#36.2
Board_13-Net-(U1-Pad3): U1#36.3 U1#36.4
Board_14-3V3: C1#2.2 C2#8.2 C3#16.2 PAD4#52.1 R1#10.2 U1#49.5 U1#49.8
Board_14-GND: C1#2.1 C2#8.1 C3#16.1 PAD5#58.1 U1#49.6
Board_14-I2C_SCL: PAD2#37.1 U1#49.7
Board_14-I2C_SDA: PAD1#5.1 U1#49.1
Board_14-INT_APDS: PAD3#45.1 R1#10.1 U1#49.2
Board_14-Net-(U1-Pad3): U1#49.3 U1#49.4
Board_15-3V3: C1#22.2 C2#19.2 C3#35.2 PAD4#16.1 R1#53.2 U1#50.5 U1#50.8
Board_15-GND: C1#22.1 C2#19.1 C3#35.1 PAD5#42.1 U1#50.6
Board_15-I2C_SCL: PAD2#5.1 U1#50.7
Board_15-I2C_SDA: PAD1#7.1 U1#50.1
Board_15-INT_APDS: PAD3#42.1 R1#53.1 U1#50.2
Board_15-Net-(U1-Pad3): U1#50.3 U1#50.4
Board_16-3V3: C1#27.2 C2#40.2 C3#54.2 PAD4#58.1 R1#4.2 U1#14.5 U1#14.8
Board_16-GND: C1#27.1 C2#40.1 C3#54.1 PAD5#50.1 U1#14.6
Board_16-I2C_SCL: PAD2#36.1 U1#14.7
Board_16-I2C_SDA: PAD1.1 U1#14.1
Board_16-INT_APDS: PAD3#41.1 R1#4.1 U1#14.2
Board_16-Net-(U1-Pad3): U1#14.3 U1#14.4
Board_17-3V3: C1#46.2 C2#56.2 C3#25.2 PAD4.1 R1#58.2 U1#59.5 U1#59.8
Board_17-GND: C1#46.1 C2#56.1 C3#25.1 PAD5#16.1 U1#59.6
Board_17-I2C_SCL: PAD2#32.1 U1#59.7
Board_17-I2C_SDA: PAD1#26.1 U1#59.1
Board_17-INT_APDS: PAD3#53.1 R1#58.1 U1#59.2
Board_17-Net-(U1-Pad3): U1#59.3 U1#59.4
Board_18-3V3: C1#32.2 C2#30.2 C3#57.2 PAD4#39.1 R1#7.2 U1#32.5 U1#32.8
Board_18-GND: C1#32.1 C2#30.1 C3#57.1 PAD5#49.1 U1#32.6
Board_18-I2C_SCL: PAD2#15.1 U1#32.7
Board_18-I2C_SDA: PAD1#56.1 U1#32.1
Board_18-INT_APDS: PAD3#27.1 R1#7.1 U1#32.2
Board_18-Net-(U1-Pad3): U1#32.3 U1#32.4
Board_19-3V3: C1#26.2 C2#2.2 C3#6.2 PAD4#38.1 R1#50.2 U1#53.5 U1#53.8
Board_19-GND: C1#26.1 C2#2.1 C3#6.1 PAD5#56.1 U1#53.6
Board_19-I2C_SCL: PAD2#54.1 U1#53.7
Board_19-I2C_SDA: PAD1#43.1 U1#53.1
Board_19-INT_APDS: PAD3#49.1 R1#50.1 U1#53.2
Board_19-Net-(U1-Pad3): U1#53.3 U1#53.4
Board_20-3V3: C1#36.2 C2#29.2 C3#3.2 PAD4#3.1 R1#40.2 U1#40.5 U1#40.8
Board_20-GND: C1#36.1 C2#29.1 C3#3.1 PAD5#14.1 U1#40.6
Board_20-I2C_SCL: PAD2#60.1 U1#40.7
Board_20-I2C_SDA: PAD1#38.1 U1#40.1
Board_20-INT_APDS: PAD3#44.1 R1#40.1 U1#40.2
Board_20-Net-(U1-Pad3): U1#40.3 U1#40.4
Board_21-3V3: C1#24.2 C2#35.2 C3#34.2 PAD4#60.1 R1#39.2 U1#25.5 U1#25.8
Board_21-GND: C1#24.1 C2#35.1 C3#34.1 PAD5#39.1 U1#25.6
Board_21-I2C_SCL: PAD2#28.1 U1#25.7
Board_21-I2C_SDA: PAD1#29.1 U1#25.1
Board_21-INT_APDS: PAD3#8.1 R1#39.1 U1#25.2
Board_21-Net-(U1-Pad3): U1#25.3 U1#25.4
Board_22-3V3: C1#13.2 C2#37.2 C3#23.2 PAD4#59.1 R1#16.2 U1#58.5 U1#58.8
Board_22-GND: C1#13.1 C2#37.1 C3#23.1 PAD5#15.1 U1#58.6
Board_22-I2C_SCL: PAD2#6.1 U1#58.7
Board_22-I2C_SDA: PAD1#15.1 U1#58.1
Board_22-INT_APDS: PAD3#46.1 R1#16.1 U1#58.2
Board_22-Net-(U1-Pad3): U1#58.3 U1#58.4
Board_23-3V3: C1#43.2 C2#46.2 C3#40.2 PAD4#10.1 R1#51.2 U1#12.5 U1#12.8
Board_23-GND: C1#43.1 C2#46.1 C3#40.1 PAD5#31.1 U1#12.6
Board_23-I2C_SCL: PAD2#17.1 U1#12.7
Board_23-I2C_SDA: PAD1#9.1 U1#12.1
Board_23-INT_APDS: PAD3#4.1 R1#51.1 U1#12.2
Board_23-Net-(U1-Pad3): U1#12.3 U1#12.4
Board_24-3V3: C1#51.2 C2#60.2 C3#2.2 PAD4#51.1 R1#41.2 U1#39.5 U1#39.8
Board_24-GND: C1#51.1 C2#60.1 C3#2.1 PAD5#20.1 U1#39.6
Board_24-I2C_SCL: PAD2#4.1 U1#39.7
Board_24-I2C_SDA: PAD1#59.1 U1#39.1
Board_24-INT_APDS: PAD3#14.1 R1#41.1 U1#39.2
Board_24-Net-(U1-Pad3): U1#39.3 U1#39.4
Board_25-3V3: C1#12.2 C2#36.2 C3#17.2 PAD4#27.1 R1#35.2 U1#28.5 U1#28.8
Board_25-GND: C1#12.1 C2#36.1 C3#17.1 PAD5#51.1 U1#28.6
Board_25-I2C_SCL: PAD2#55.1 U1#28.7
Board_25-I2C_SDA: PAD1#40.1 U1#28.1
Board_25-INT_APDS: PAD3#51.1 R1#35.1 U1#28.2
Board_25-Net-(U1-Pad3): U1#28.3 U1#28.4
Board_26-3V3: C1#35.2 C2#5.2 C3#55.2 PAD4#33.1 R1#37.2 U1#4.5 U1#4.8
Board_26-GND: C1#35.1 C2#5.1 C3#55.1 PAD5#2.1 U1#4.6
Board_26-I2C_SCL: PAD2#53.1 U1#4.7
Board_26-I2C_SDA: PAD1#8.1 U1#4.1
Board_26-INT_APDS: PAD3#55.1 R1#37.1 U1#4.2
Board_26-Net-(U1-Pad3): U1#4.3 U1#4.4
Board_27-3V3: C1#14.2 C2#3.2 C3#26.2 PAD4#13.1 R1#11.2 U1#7.5 U1#7.8
Board_27-GND: C1#14.1 C2#3.1 C3#26.1 PAD5.1 U1#7.6
Board_27-I2C_SCL: PAD2#41.1 U1#7.7
Board_27-I2C_SDA: PAD1#16.1 U1#7.1
Board_27-INT_APDS: PAD3#25.1 R1#11.1 U1#7.2
Board_27-Net-(U1-Pad3): U1#7.3 U1#7.4
Board_28-3V3: C1#56.2 C2#58.2 C3#32.2 PAD4#14.1 R1#2.2 U1#15.5 U1#15.8
Board_28-GND: C1#56.1 C2#58.1 C3#32.1 PAD5#7.1 U1#15.6
Board_28-I2C_SCL: PAD2#43.1 U1#15.7
Board_28-I2C_SDA: PAD1#27.1 U1#15.1
Board_28-INT_APDS: PAD3#15.1 R1#2.1 U1#15.2
Board_28-Net-(U1-Pad3): U1#15.3 U1#15.4
Board_29-3V3: C1#19.2 C2#21.2 C3#7.2 PAD4#47.1 R1#22.2 U1#11.5 U1#11.8
Board_29-GND: C1#19.1 C2#21.1 C3#7.1 PAD5#37.1 U1#11.6
Board_29-I2C_SCL: PAD2#30.1 U1#11.7
Board_29-I2C_SDA: PAD1#4.1 U1#11.1
Board_29-INT_APDS: PAD3#10.1 R1#22.1 U1#11.2
Board_29-Net-(U1-Pad3): U1#11.3 U1#11.4
Board_30-3V3: C1#25.2 C2#48.2 C3#8.2 PAD4#23.1 R1#59.2 U1#43.5 U1#43.8
Board_30-GND: C1#25.1 C2#48.1 C3#8.1 PAD5#52.1 U1#43.6
Board_30-I2C_SCL: PAD2#52.1 U1#43.7
Board_30-I2C_SDA: PAD1#46.1 U1#43.1
Board_30-INT_APDS: PAD3#5.1 R1#59.1 U1#43.2
Board_30-Net-(U1-Pad3): U1#43.3 U1#43.4
Board_31-3V3: C1#53.2 C2#12.2 C3#41.2 PAD4#54.1 R1#47.2 U1#57.5 U1#57.8
Board_31-GND: C1#53.1 C2#12.1 C3#41.1 PAD5#25.1 U1#57.6
Board_31-I2C_SCL: PAD2#22.1 U1#57.7
Board_31-I2C_SDA: PAD1#50.1 U1#57.1
Board_31-INT_APDS: PAD3#37.1 R1#47.1 U1#57.2
Board_31-Net-(U1-Pad3): U1#57.3 U1#57.4
Board_32-3V3: C1#45.2 C2#4.2 C3#33.2 PAD4#31.1 R1#23.2 U1#41.5 U1#41.8
Board_32-GND: C1#45.1 C2#4.1 C3#33.1 PAD5#12.1 U1#41.6
Board_32-I2C_SCL: PAD2#45.1 U1#41.7
Board_32-I2C_SDA: PAD1#33.1 U1#41.1
Board_32-INT_APDS: PAD3#29.1 R1#23.1 U1#41.2
Board_32-Net-(U1-Pad3): U1#41.3 U1#41.4
Board_33-3V3: C1#42.2 C2#27.2 C3#49.2 PAD4#20.1 R1.2 U1#31.5 U1#31.8
Board_33-GND: C1#42.1 C2#27.1 C3#49.1 PAD5#13.1 U1#31.6
Board_33-I2C_SCL: PAD2#42.1 U1#31.7
Board_33-I2C_SDA: PAD1#48.1 U1#31.1
Board_33-INT_APDS: PAD3#21.1 R1.1 U1#31.2
Board_33-Net-(U1-Pad3): U1#31.3 U1#31.4
Board_34-3V3: C1#16.2 C2#17.2 C3#48.2 PAD4#35.1 R1#19.2 U1#33.5 U1#33.8
Board_34-GND: C1#16.1 C2#17.1 C3#48.1 PAD5#21.1 U1#33.6
Board_34-I2C_SCL: PAD2#31.1 U1#33.7
Board_34-I2C_SDA: PAD1#44.1 U1#33.1
Board_34-INT_APDS: PAD3#47.1 R1#19.1 U1#33.2
Board_34-Net-(U1-Pad3): U1#33.3 U1#33.4
Board_35-3V3: C1#6.2 C2#51.2 C3#22.2 PAD4#46.1 R1#25.2 U1#3.5 U1#3.8
Board_35-GND: C1#6.1 C2#51.1 C3#22.1 PAD5#60.1 U1#3.6
Board_35-I2C_SCL: PAD2#20.1 U1#3.7
Board_35-I2C_SDA: PAD1#41.1 U1#3.1
Board_35-INT_APDS: PAD3#11.1 R1#25.1 U1#3.2
